# Altium PCB Dashcam.PcbDoc (part 4 of 6)
Units mm, origin at the board's own origin, x right, y up, seen from the top; angles counter-clockwise.
Board outline 90.03 x 65.03 mm, 6 copper layers (TOP, L2_GND, L3_IN1, L4_POWER, L5_GND_2, BOTTOM), stack 1.128 mm thick; 287 components, 444 nets, 1760 pads, 0 vias.
Unrouted connection lines stored in the file: 908.
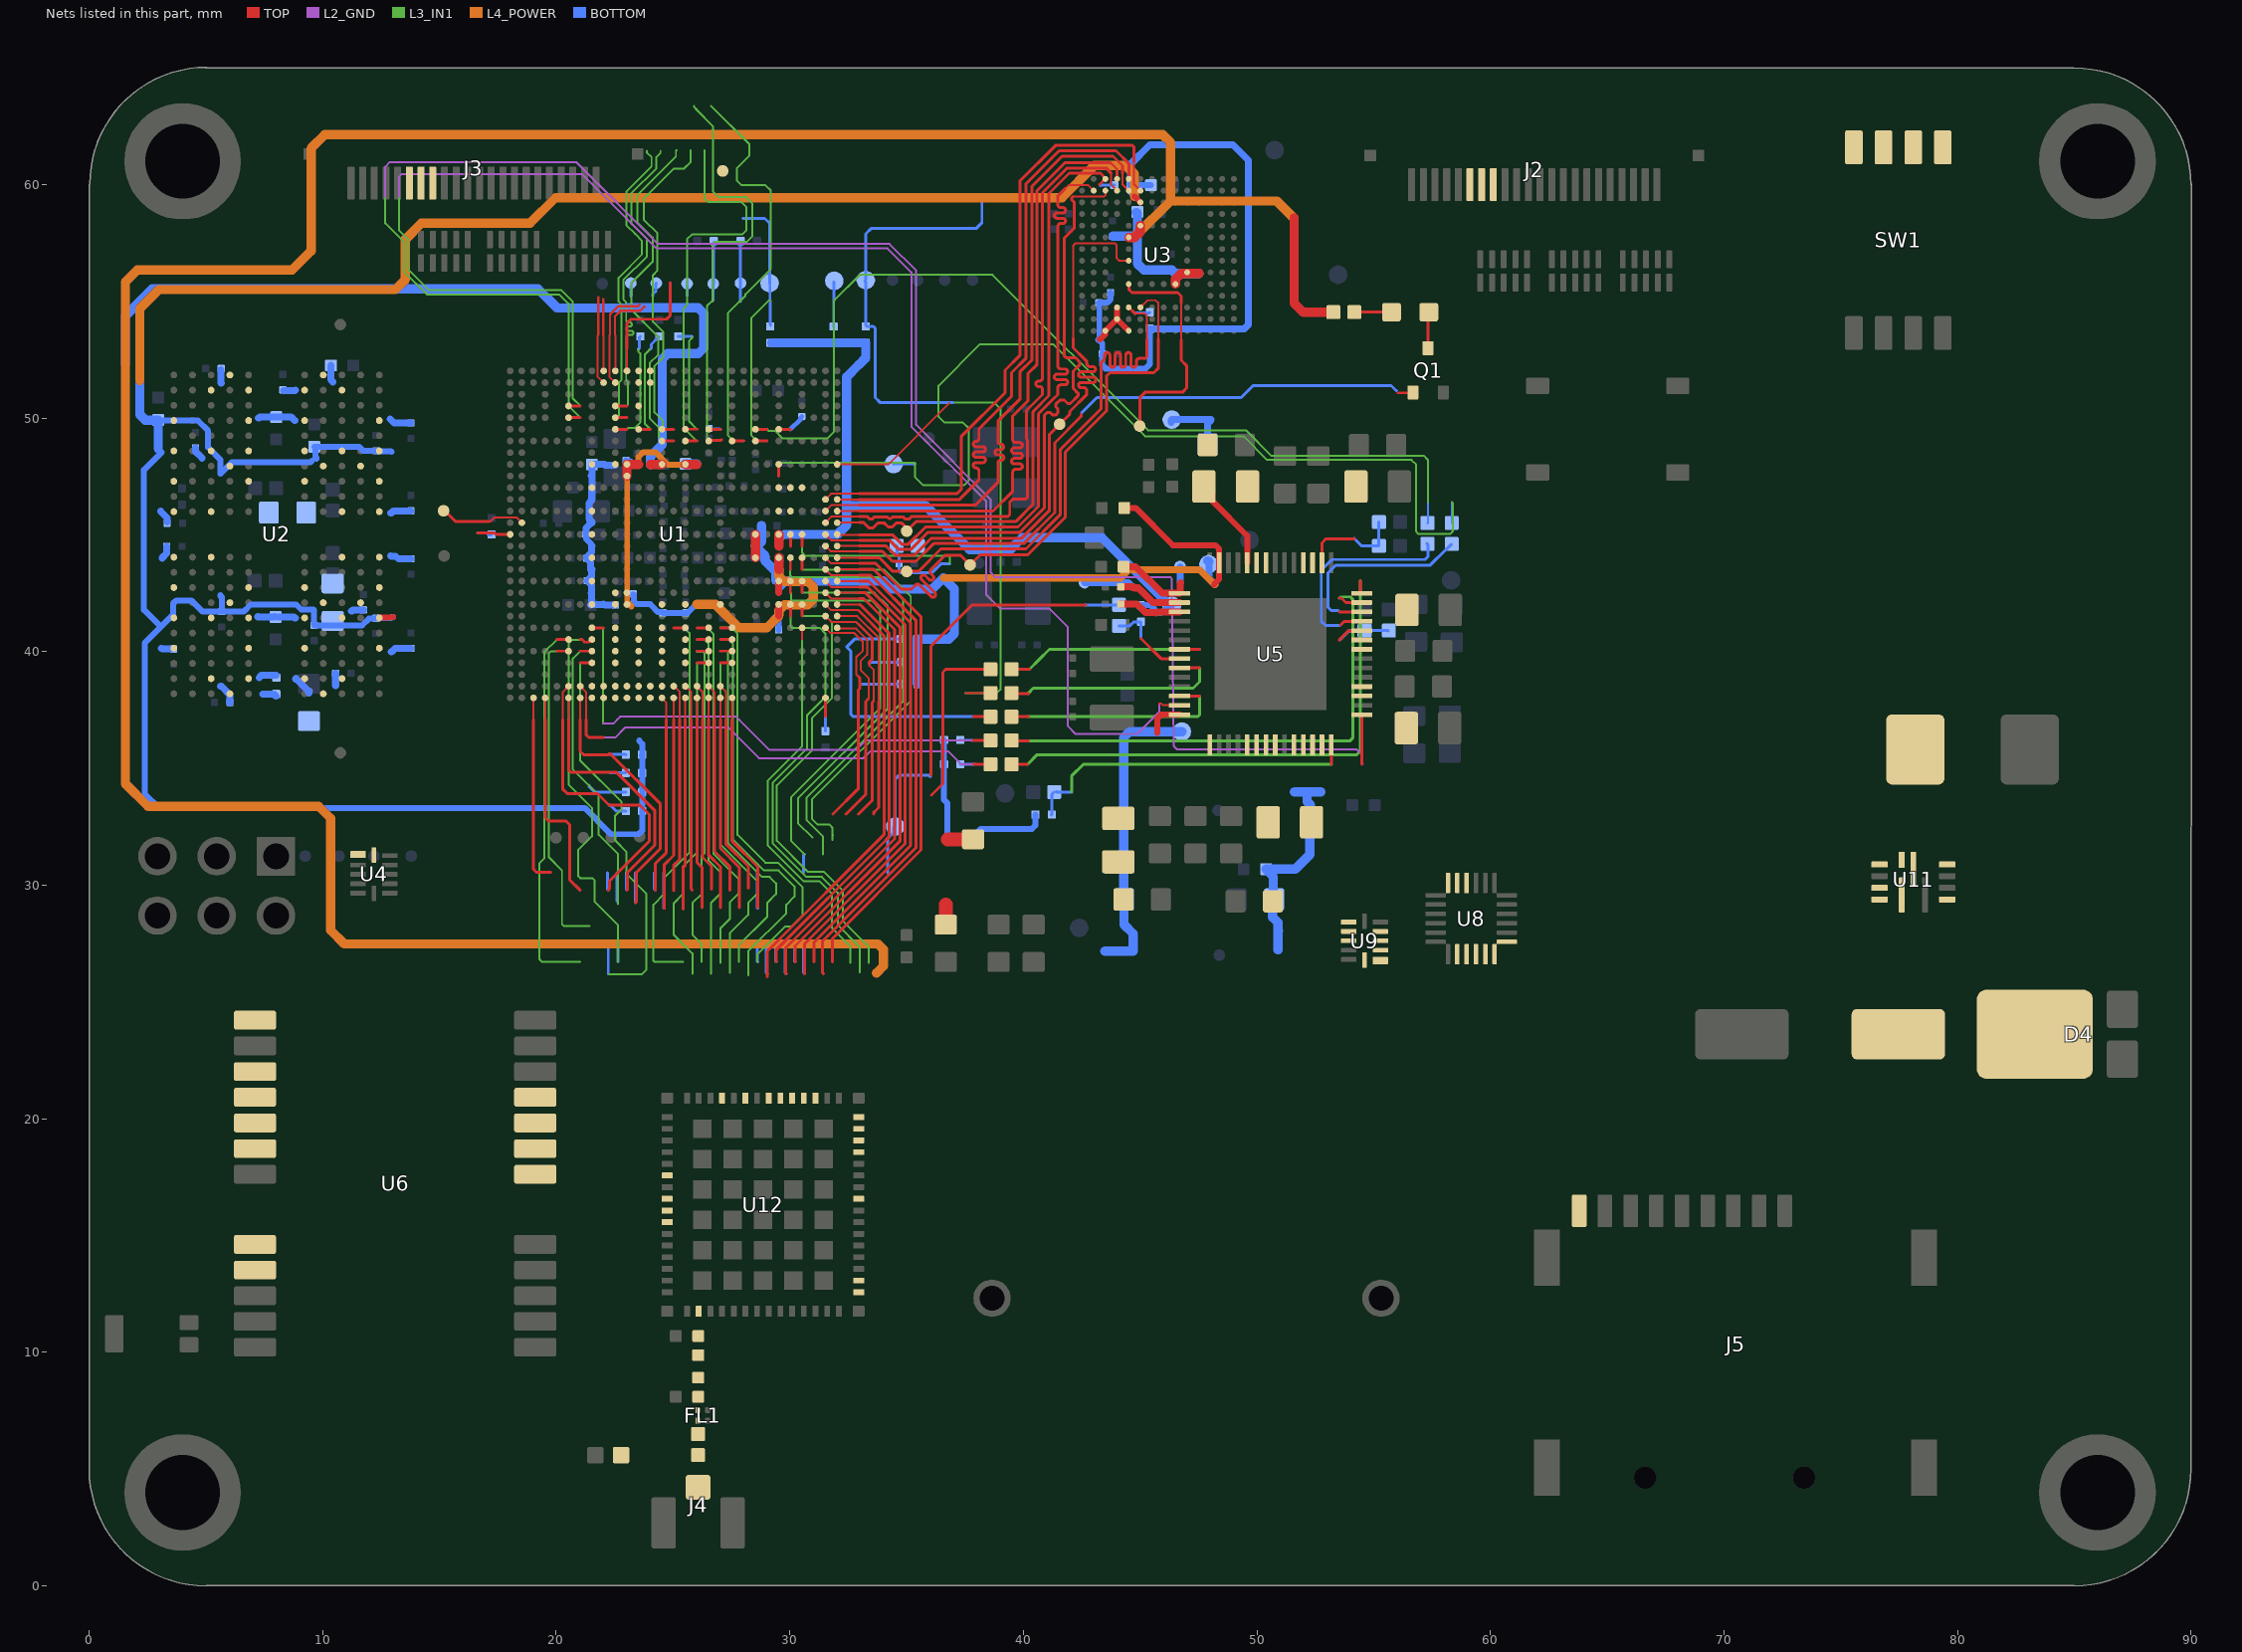
[diagram p8: the nets of this part, all layers, seen from the top]

## Nets (pads, with @x,y where several pads share a name; then routed paths per layer and width w, separated by ;. In a path a pad name is that pad's centre, name@x,y a point inside that pad or via, vN(x,y) a via of type N, cw(c..) or ccw(c..) an arc to the next point about the centre after c; other vN are vias at no path point) (continued)
I2C1_SCL: R16.2 R46.1 U1.AC8 | length 22.6
  TOP w0.12: U1.AC8@21.525,41.022 22.025,41.022
  TOP w0.127: 37.848,36.201 R46.1@38.592,36.201
  L2_GND w0.085: 21.996,36.938 22.454,36.938 22.605,37.09 22.733,37.217 27.711,37.217 27.839,37.09 29.134,35.795 32.842,35.795 33.248,36.201 37.771,36.201 37.795,36.176
  L3_IN1 w0.085: 21.996,36.938 21.996,40.993 22.025,41.022
  BOTTOM w0.127: R16.2@37.307,36.227 37.32,36.214 37.835,36.214 37.848,36.201
I2C1_SDA: R17.2 R48.1 U1.AH7 | length 21.3
  TOP w0.085: U1.AH7@21.028,38.525 21.285,38.268 21.285,37.09
  TOP w0.127: 21.285,37.09 21.285,36.43 21.387,36.328 21.996,36.328 ; 37.874,35.185 R48.1@38.592,35.185
  L2_GND w0.085: 21.996,36.328 22.53,36.328 22.962,36.76 27.356,36.76 28.677,35.439 33.147,35.439 33.452,35.744 36.779,35.744 37.338,35.185 37.922,35.185 37.948,35.211
  BOTTOM w0.127: R17.2@37.307,35.185 37.873,35.185
I2C2_SCL: R18.2 U1.AH6 | length 14.2
  TOP w0.085: 20.272,37.09 20.272,38.269 U1.AH6@20.528,38.525
  TOP w0.127: 20.272,37.09 20.272,34.131 20.476,33.926 21.772,33.926 22.262,33.436 ; 22.227,29.8 22.281,29.853 22.281,30.183 23.987,31.89 23.987,33.031 23.582,33.436 22.272,33.436
  BOTTOM w0.127: 22.2,30.54 22.2,29.827 22.227,29.8 ; 22.262,33.436 22.31,33.436 22.564,33.182 R18.2@22.978,33.182
I2C2_SCL_R: J2.16 J3.16
I2C2_SDA: R19.2 U1.AE8 | length 15.2
  TOP w0.12: 21.028,40.025 U1.AE8@21.528,40.025
  L3_IN1 w0.085: 21.028,40.025 20.712,39.709 20.712,34.96 21.38,34.293 21.398,34.293 ; 21.398,34.274 21.821,33.851 21.821,32.162 22.634,31.349 22.634,29.19
  BOTTOM w0.127: 21.398,34.293 21.398,34.253 21.656,33.995 R19.2@22.978,33.995 ; 22.6,30.54 22.6,29.32 22.628,29.292
I2C2_SDA_R: J2.17 J3.17
I2C3_SCL: R20.2 U1.AJ7 | length 13.3
  TOP w0.085: 21.028,37.09 U1.AJ7@21.028,38.025
  TOP w0.127: 21.028,37.09 21.028,35.737 21.169,35.595 22.236,35.595 22.262,35.62 22.325,35.62 24.463,33.483 24.463,31.578 23.421,30.536 23.421,29.289 23.398,29.266
  BOTTOM w0.127: 22.262,35.62 22.274,35.608 22.966,35.608 R20.2@22.978,35.595 ; 23.398,29.266 23.398,30.538
I2C3_SDA: R21.2 U1.AJ6 | length 12.8
  TOP w0.085: 20.528,37.09 U1.AJ6@20.528,38.025
  TOP w0.127: 20.528,37.09 20.528,34.941 20.636,34.833 22.592,34.833 24.214,33.211 24.214,31.71 23.04,30.536 23.04,29.809 23.031,29.8
  BOTTOM w0.127: 22.28,34.82 R21.2@22.971,34.82 ; 23,30.54 23,29.831 23.031,29.8
I2C4_SCL: U1.AF8 | length 18
  TOP w0.12: 21.028,39.525 U1.AF8@21.528,39.525
  L3_IN1 w0.085: 21.028,39.525 21.028,35.33 22.795,33.563 22.795,33.258 22.516,32.979 22.516,31.925 23.015,31.425 23.015,30.486 23.853,29.647 23.853,26.371 23.675,26.193 22.253,26.193
  BOTTOM w0.127: 22.228,26.212 22.228,27.474
I2C4_SDA: U1.AD8 | length 17.2
  TOP w0.12: 21.028,40.525 21.105,40.525 21.218,40.413 21.373,40.413 21.485,40.525 U1.AD8@21.528,40.525
  L3_IN1 w0.085: 21.028,40.525 21.015,40.513 20.697,40.513 20.526,40.341 20.526,34.313 21.525,33.314 21.525,32.095 20.932,31.502 20.932,30.409 21.034,30.308 21.542,30.308 21.643,30.206 21.643,29.292 22.634,28.301 22.634,26.72
  BOTTOM w0.127: 22.634,26.72 22.634,27.479
IMU_AD0: U8.9 U9.2
IMU_FSYNC: U8.11 U9.3
IMU_INT1: U8.12 U9.4
INT_GPS: U6.4
JTAG_MOD: R7.2 TP9.1 U1.G20 | length 20.8
  TOP w0.12: U1.G20@27.528,49.025 28.028,49.025
  L3_IN1 w0.085: 26.622,63.379 28.273,61.728 28.273,61.245 27.728,60.701 27.728,60.189 27.942,59.975 28.958,59.975 29.187,59.746 29.187,56.394 28.105,55.311 28.105,55.251 27.892,55.038 27.892,55 ; 27.888,55 27.844,55 27.358,54.514 27.358,49.256 27.589,49.025 28.025,49.025
  BOTTOM w0.127: 27.888,55 27.89,55.002 27.89,55.782 27.894,55.787 R7.2@27.894,57.534
JTAG_RESET: 
JTAG_TCK: R8.2 TP7.1 U1.G18 | length 21.4
  TOP w0.12: U1.G18@26.528,49.025 26.557,49.054 27.057,49.054 27.085,49.083
  L3_IN1 w0.085: 25.91,63.379 25.91,63.317 26.008,63.219 26.008,63.205 26.709,62.503 26.709,59.709 26.96,59.459 28.128,59.459 28.4,59.188 28.4,57.791 28.171,57.562 26.799,57.562 26.698,57.46 26.698,54.997 ; 26.71,55.033 26.683,55.033 26.453,54.802 26.453,52.99 26.453,49.171 26.599,49.025 27.028,49.025 27.085,49.083
  BOTTOM w0.127: 26.71,55.033 26.717,55.039 26.717,55.79 TP7.1@26.71,55.797 ; TP7.1@26.723,55.759 26.733,55.769 R8.2@26.733,57.501
JTAG_TDI: TP5.1 U1.G16 | length 17.6
  TOP w0.12: U1.G16@25.528,49.025 26.028,49.025
  L3_IN1 w0.085: 26.028,49.025 25.451,49.602 25.451,52.513 25.451,52.517 25.451,54.685 25.614,54.848 25.614,55.215 25.603,55.226 25.603,57.661 25.809,57.867 27.968,57.867 28.146,58.045 28.146,59.035 27.917,59.264 26.495,59.264 26.342,59.416 26.342,61.474
  BOTTOM w0.127: TP5.1@25.601,55.687 25.604,55.684 25.604,55.227 25.603,55.226
JTAG_TDO: TP8.1 U1.F14 | length 15.4
  TOP w0.12: U1.F14@24.528,49.525 25.028,49.525
  L3_IN1 w0.085: 25.028,49.525 24.649,49.525 24.613,49.561 24.562,49.613 24.562,49.892 24.206,50.248 24.206,52.229 24.587,52.61 24.587,53.677 24.139,54.125 24.139,55.235 24.139,56.124 24.333,56.318 24.333,57.918 23.749,58.503 23.749,59.392 25.044,60.687 25.476,60.687 25.758,60.969 25.758,61.474
  BOTTOM w0.127: 24.139,55.235 24.139,55.31 24.26,55.431 24.26,55.759 TP8.1@24.285,55.784
JTAG_TMS: TP6.1 U1.G14 | length 16
  TOP w0.12: U1.G14@24.528,49.025 25.028,49.025
  L3_IN1 w0.085: 25.028,49.025 24.591,49.025 24.384,49.232 24.384,49.613 24.003,49.994 24.003,52.356 24.359,52.711 24.359,53.499 23.218,54.639 23.218,55.226 23.218,55.787 24.13,56.699 24.13,57.741 23.47,58.401 23.47,59.544 25.125,61.2 25.125,61.45 25.148,61.474
  BOTTOM w0.127: TP6.1@23.199,55.663 23.205,55.656 23.205,55.239 23.218,55.226
MISO_GPS: 
MOSI_GPS: 
NetANT1_1: ANT1.1 J4.1 R81.2
NetC64_2: C64.2 U1.F24 | length 1.3
  TOP w0.12: U1.F24@29.528,49.525 30.028,49.525
  L3_IN1 w0.085: 30.017,49.485 30.032,49.5
  BOTTOM w0.2: 30.028,49.525 30.464,49.961 30.464,50.021 C64.2@30.517,50.073
NetC65_2: C65.2 U1.F18 | length 1
  TOP w0.12: U1.F18@26.528,49.525 27.028,49.525
  L3_IN1 w0.085: 27.02,49.51 27.034,49.525
  BOTTOM w0.12: C65.2@26.596,49.561 26.614,49.543 27.01,49.543 27.028,49.525
NetC110_1: C110.1 TP40.1 U5.2 | length 5
  TOP w0.3: C110.1@44.173,42.779 44.676,42.779 44.701,42.755 44.729,42.755 ; 44.752,42.755 44.729,42.755 ; U5.2@46.688,42.106 45.556,42.106 44.927,42.734 44.75,42.734 44.729,42.755
  BOTTOM w0.3: TP40.1@42.621,42.958 44.498,42.958 44.701,42.755 44.729,42.755
NetC115_1: C115.1 TP42.1 U5.1 | length 4
  TOP w0.3: C115.1@44.297,43.643 44.808,43.643 45.945,42.506 U5.1@46.688,42.506 46.716,42.534 46.716,42.938 46.736,42.958
  BOTTOM w0.3: TP42.1@46.711,43.644 46.723,43.631 46.723,42.971 46.736,42.958
NetC142_2: U8.10
NetC150_1: L7.1 U11.7
NetC150_2: 
NetC155_2: 
NetC156_2: U11.9
NetC162_2: C162.2 C164.2 FL1.1
NetC173_2: 
NetD1_1: D1.1 Q1.D | length 1.6
  TOP w0.127: Q1.D@57.33,53 57.33,54.501 D1.1@57.368,54.539
NetD1_2: D1.2 R15.1 | length 1.6
  TOP w0.127: R15.1@54.173,54.539 D1.2@55.768,54.539
NetD2_2: R59.2
NetD3_2: R60.2
NetD7_2: 
NetD21_1: 
NetFL1_2: FL1.2 R81.1
NetJ6_7: 
NetJ6_9: 
NetL1_1: L1.1 U5.45 U5.46
NetL2_1: L2.1 U5.36 U5.37
NetL3_1: L3.1 U5.31 U5.32
NetL4_1: L4.1 U5.19 U5.20
NetL5_1: L5.1 U5.15
NetL6_1: L6.1 U5.50 U5.51
NetR2_2: R2.2 U1.R1 | length 2.1
  TOP w0.127: 16.634,45.08 16.636,45.082 17.345,45.082 17.402,45.025 17.502,45.025 U1.R1@18.028,45.025
  BOTTOM w0.127: 16.634,45.08 16.644,45.09 17.016,45.09 17.097,45.01 17.218,45.01 R2.2@17.232,45.024
NetR3_1: R3.1 U1.F10 | length 5
  TOP w0.12: U1.F10@22.528,49.525 23.028,49.525
  L3_IN1 w0.085: 23.028,49.525 23.077,49.574 23.358,49.574 23.599,49.815 23.599,52.513 23.599,52.517 23.599,52.771 23.507,52.863 23.507,52.95
  BOTTOM w0.127: 23.507,52.95 23.553,52.996 23.553,53.458 R3.1@23.599,53.504
NetR5_1: R5.1 U1.F12 | length 4.8
  TOP w0.12: U1.F12@23.528,49.525 24.028,49.525
  L3_IN1 w0.085: 24.013,52.95 23.8,52.737 23.8,52.517 23.8,52.513 23.8,49.753 24.028,49.525
  BOTTOM w0.127: 24.013,52.95 24.066,53.003 24.066,53.158 24.381,53.473 R5.1@24.386,53.473
NetR6_2: R6.2 U1.AJ28 | length 1.4
  TOP w0.127: 31.528,37.217 U1.AJ28@31.528,38.025
  BOTTOM w0.127: R6.2@31.524,36.601 31.526,36.603 31.526,37.215 31.528,37.217
NetR14_2: R14.2
NetR35_1: R35.1 R36.1 U5.44 | length 4.6
  TOP w0.127: U5.44@52.788,43.806 52.788,44.666 52.959,44.837 54.178,44.837
  BOTTOM w0.127: 54.153,44.863 54.178,44.837 54.484,44.532 R36.1@55.229,44.532 R35.1@55.229,45.548
NetR37_1: R37.1 R38.1 U5.38 | length 3.3
  TOP w0.127: 53.546,40.493 53.546,40.519 53.927,40.9 54.482,40.9 U5.38@54.488,40.906
  BOTTOM w0.127: 53.571,40.519 53.952,40.9 R38.1@54.562,40.9 ; R38.1@54.612,40.907 55.621,40.907 R37.1@55.628,40.9
NetR39_1: R39.1 | length 0.7
  TOP w0.127: 37.848,37.217 R39.1@38.592,37.217
NetR39_2: R39.2 U5.12 | length 9.9
  TOP w0.127: R39.2@39.449,37.267 39.499,37.217 40.211,37.217 ; U5.12@46.688,38.106 47.551,38.106
  L3_IN1 w0.127: 40.152,37.224 47.477,37.224 47.551,37.299 47.551,38.106
NetR40_2: R40.2 R41.2 U5.8 | length 3.7
  TOP w0.127: 45.037,40.569 45.9,39.706 U5.8@46.688,39.706
  BOTTOM w0.127: R41.2@44.097,41.11 44.561,41.11 44.732,41.281 45.037,41.281 45.037,40.569
NetR42_2: R42.2 U5.39 | length 9.4
  TOP w0.127: 53.571,41.154 53.596,41.154 53.748,41.306 U5.39@54.488,41.306
  BOTTOM w0.127: 53.546,41.128 52.936,41.128 52.758,41.306 52.758,43.49 53.215,43.948 57.203,43.948 57.33,44.075 57.33,44.583 R42.2@57.279,44.633
NetR43_2: R43.2 U5.40 | length 8.8
  TOP w0.127: 53.546,41.712 53.552,41.706 U5.40@54.488,41.706
  BOTTOM w0.127: 53.546,41.712 53.492,41.766 53.187,41.766 53.038,41.916 53.038,43.363 53.368,43.694 57.406,43.694 58.091,44.379 58.11,44.379 58.321,44.59 R43.2@58.321,44.608
NetR44_2: R44.2 R45.2 U5.28 | length 14.6
  TOP w0.127: U5.28@53.188,36.006 53.188,35.187 53.19,35.185
  L3_IN1 w0.127: 42.065,33.991 42.065,34.677 42.573,35.185 53.19,35.185
  BOTTOM w0.127: R45.2@41.201,33 41.221,33.02 R45.2@41.221,33.026 41.221,33.891 R44.2@41.321,33.991 ; R44.2@41.404,34.016 41.43,33.991 42.065,33.991
NetR46_2: R46.2 U5.41 | length 22.2
  TOP w0.127: R46.2@39.525,36.175 40.211,36.175 ; 53.546,42.297 53.621,42.297 53.812,42.106 U5.41@54.488,42.106
  L3_IN1 w0.127: 40.211,36.175 53.977,36.175 54.104,36.302 54.104,42.246 54,42.35 53.599,42.35 53.546,42.297
NetR47_1: R47.1 U5.9 | length 9.7
  TOP w0.127: R47.1@39.525,38.258 39.576,38.207 40.211,38.207 ; U5.9@46.688,39.306 47.551,39.306
  L3_IN1 w0.127: 40.211,38.207 40.211,38.222 40.424,38.436 47.272,38.436 47.551,38.715 47.551,39.306
NetR48_2: R48.2 U5.42 | length 23.1
  TOP w0.127: R48.2@39.449,35.108 39.525,35.185 40.185,35.185 ; 54.435,43.033 54.435,42.542 54.471,42.506 U5.42@54.488,42.506
  L3_IN1 w0.127: 40.185,35.185 40.592,35.591 54.282,35.591 54.435,35.743 54.435,43.033
NetR49_1: R49.1 U5.7 | length 9.3
  TOP w0.127: R49.1@39.499,39.249 40.261,39.249 ; U5.7@46.688,40.106 47.551,40.106
  L3_IN1 w0.127: 40.261,39.249 40.678,39.666 41.118,40.106 47.551,40.106
NetR49_2: R49.2 | length 7.6
  TOP w0.127: 36.068,33.865 36.551,34.347 36.551,39.122 36.677,39.249 R49.2@38.592,39.249
NetR51_1: U6.18
NetR52_1: U6.19
NetR53_1: U6.20
NetR54_1: U6.21
NetR55_2: U6.6
NetR56_2: R56.2 U6.5
NetR63_1: 
NetR64_1: U11.8
NetR66_2: U11.12
NetR67_1: U11.11
NetR69_2: U11.6
NetR105_2: U4.12
NetR106_1: SW1.8
NetR107_1: SW1.7
NetR108_1: SW1.6
NetR109_1: SW1.5
NetTP4_1: TP4.1 U1.P2 | length 3.7
  TOP w0.085: 17.122,45.577 17.131,45.577 17.182,45.577 17.359,45.755 18.298,45.755 U1.P2@18.528,45.525
  TOP w0.127: TP4.1@15.226,46.034 15.683,45.577 17.097,45.577 17.122,45.577
NetTP28_1: TP28.1 U3.K5 | length 10
  TOP w0.085: 46.761,53.346 46.761,54.926
  TOP w0.127: U3.K5@44.514,55.743 44.514,55.518 44.652,55.38 46.608,55.38 46.761,55.226 46.761,54.926 ; TP28.1@44.986,49.638 44.986,50.882 45.214,51.11 46.815,51.11 46.99,51.286 46.99,52.256 46.761,52.484 46.761,53.346
NetTP59_1: U11.3
NetU9_7: U9.7
NetU9_8: U9.8
NetU9_9: U9.9
NetU12_7: U12.7
NetU12_9: U12.9
NetU12_10: U12.10
NetU12_11: U12.11
NetU12_46: U12.46
NetU12_47: U12.47
NetU12_48: U12.48
NetU12_49: U12.49
NetU12_53: U12.53
NetU12_54: U12.54
NetU12_55: U12.55
NetU12_56: U12.56
NetU12_57: U12.57
NetU12_59: U12.59
NVCC_DRAM_1V1: C54.2 C59.2 C60.2 C61.2 C62.2 C77.2 C78.2 C79.2 C80.2 C81.2 C82.2 C83.2 C84.2 C85.2 C86.2 C87.2 C88.2 C89.2 C90.2 C91.2 C92.2 C124.2 C125.2 L6.2 TP46.1 U1.AA8 U1.AA10 U1.J8 U1.J10 U1.L8 U1.N8 U1.R8 U1.U8 U1.W8 U2.A4 U2.A9 U2.AA3 U2.AA5 U2.AA8 U2.AA10 U2.AB4 U2.AB9 U2.B3 U2.B5 U2.B8 U2.B10 U2.D1 U2.D5 U2.D8 U2.D12 U2.F3 U2.F5 U2.F8 U2.F10 U2.G2 U2.H1 U2.H5 U2.H8 U2.H12 U2.K1 U2.K3 U2.K10 U2.K12 U2.N1 U2.N3 U2.N10 U2.N12 U2.R1 U2.R5 U2.R8 U2.R12 U2.T2 U2.U3 U2.U5 U2.U8 U2.U10 U2.W1 U2.W5 U2.W8 U2.W12 U5.52 | length 29.4
  TOP w0.254: L6.2@47.739,47.072 48.112,46.699 48.112,46.433 49.588,44.958 U5.52@49.588,43.806
  BOTTOM w0.254: C59.2@21.271,45.018 21.271,44.841 21.499,44.613 21.499,44.595 21.507,44.587 21.525,44.587
  BOTTOM w0.3: 3.059,46.034 3.059,46.006 3.339,45.726 C84.2@3.339,45.552 ; 3.085,40.142 3.113,40.142 3.136,40.119 3.615,40.119 C82.2@3.618,40.116 ; 3.135,44.002 3.135,44.031 3.313,44.209 C83.2@3.314,44.51 ; C86.2@4.558,48.727 4.558,48.574 4.828,48.304 4.828,48.285 ; 5.628,38.525 5.656,38.525 6.031,38.15 C81.2@6.031,37.805 ; C87.2@5.65,52.08 5.65,51.503 5.657,51.496 ; 7.228,41.498 7.234,41.492 7.924,41.492 C78.2@7.936,41.503 ; 7.246,50.006 7.274,50.006 7.313,50.045 8.654,50.045 8.799,49.9 8.81,49.9 ; C78.2@8.063,41.488 8.764,41.488 8.799,41.452 8.828,41.452 ; C88.2@8.317,51.191 8.818,51.191 8.828,51.2 ; 8.828,38.85 8.848,38.83 ; 8.85,38.872 8.85,38.839 9.406,38.284 9.409,38.28 9.409,38.237 ; 9.384,38.262 9.44,38.318 ; C85.2@10.352,52.257 10.352,51.641 10.428,51.565 10.428,51.536 ; 10.552,38.557 10.552,39.072 C80.2@10.552,39.075 ; 11.228,41.752 11.256,41.752 11.295,41.79 11.743,41.79 C91.2@11.746,41.793 ; 12.889,49.967 12.889,49.965 13.06,49.793 C92.2@13.778,49.793 ; 12.908,44.114 12.928,44.094 13.123,44.094 13.24,43.977 C90.2@13.778,43.977 ; 12.914,45.943 12.943,45.943 13.035,46.035 C89.2@13.778,46.035 ; 12.932,39.999 12.958,39.999 13.1,40.142 C79.2@13.778,40.142 ; C59.2@21.271,45.018 21.273,45.021 21.273,45.296 21.5,45.523 21.5,45.526 ; 21.472,41.996 21.508,42.032 21.508,42.496 21.5,42.504 ; 21.474,41.996 21.489,42.01 22.013,42.01 22.028,42.025 ; 21.474,43.52 21.474,43.824 C60.2@21.296,44.002 21.299,44.005 21.299,44.047 21.508,44.255 21.508,44.505 21.528,44.525 ; 21.5,46.517 21.508,46.509 21.508,46.476 21.4,46.369 21.4,46.012 21.398,46.009 21.398,45.684 21.528,45.554 21.528,45.525 ; 21.5,47.533 21.526,47.506 21.526,47.052 21.525,47.05 ; 21.508,42.574 21.508,42.851 C61.2@21.322,43.037 21.508,43.223 21.508,43.505 21.528,43.525 ; 21.525,47.025 21.525,46.528 21.528,46.525 ; C54.2@21.525,47.99 21.526,47.989 21.526,47.526 21.528,47.525 ; C54.2@21.532,48.025 22.057,48.025 22.094,47.987 22.504,47.987 ; 22.033,42.047 22.035,42.047 22.083,41.998 22.538,41.998 C62.2@22.541,41.996 ; TP46.1@46.332,49.815 46.332,49.917 TP46.1@46.357,49.942 ; TP46.1@46.383,49.917 46.408,49.942 47.323,49.942 ; 47.399,49.942 48.034,49.942 ; C125.2@47.894,48.875 47.894,49.774 48.014,49.893 48.014,49.937
NVCC_SD2: C17.2 C120.1 R22.1 R23.1 R24.1 TP44.1 U1.W24 U5.55 | length 34
  TOP w0.254: C120.1@44.325,46.157 44.808,46.157 46.408,44.557 48.239,44.557 48.388,44.408 U5.55@48.388,43.806 48.388,43.108 48.161,42.881
  TOP w0.3: 29.528,42.525 U1.W24@29.528,43.025
  L4_POWER w0.3: 36.578,43.16 44.17,43.16 44.526,43.517 47.547,43.517 48.183,42.881 48.212,42.881
  BOTTOM w0.254: 29.528,42.525 29.557,42.554 29.557,42.687 29.907,43.037 ; R22.1@35.444,38.618 R22.1@35.464,38.637
  BOTTOM w0.3: TP44.1@47.947,43.856 47.947,43.145 48.212,42.881
  BOTTOM w0.4: 29.907,43.037 C17.2@31.329,43.037 ; C17.2@31.329,43.025 34.009,43.025 34.352,42.682 36.1,42.682 36.578,43.16 37.044,42.694 37.044,40.778 36.81,40.544 R24.1@35.455,40.544 ; R22.1@35.464,38.637 R23.1@35.464,39.557 R24.1@35.464,40.535 ; TP44.1@47.907,43.897 TP44.1@47.947,43.856
NVCC_SNVS_1V8: C5.2 C106.1 R9.2 R10.2 R11.2 R40.1 TP38.1 U1.R24 U5.3 | length 36.3
  TOP w0.3: C106.1@44.173,42.043 44.869,42.043 45.238,41.673 45.646,41.673 45.667,41.653 ; 45.758,41.706 U5.3@46.688,41.706
  TOP w0.4: 29.528,44.525 U1.R24@29.528,45.025
  BOTTOM w0.254: R40.1@45.037,41.986 45.078,41.986 45.085,41.993 45.448,41.993 45.638,41.803 45.638,41.682 45.667,41.653 45.696,41.682 45.925,41.682 46.185,41.942 TP38.1@46.228,41.942
  BOTTOM w0.3: R11.2@29.238,53.219 R11.2@29.243,53.224 ; 29.528,44.525 29.548,44.545 29.548,44.795 29.778,45.025 ; 32.946,52.279 32.972,52.304 ; 42.065,44.887 42.069,44.883
  BOTTOM w0.4: R11.2@29.243,53.224 R9.2@31.879,53.224 R10.2@33.251,53.224 33.251,52.584 32.972,52.304 ; 29.778,45.025 32.042,45.025 32.438,45.421 32.438,46.26 ; 32.946,52.279 32.438,51.771 32.438,46.26 ; 42.065,44.887 39.957,44.887 39.449,44.38 37.694,44.38 35.814,46.26 32.972,46.26 32.946,46.26 32.438,46.26 ; 42.069,44.883 43.364,44.883 46.279,41.969 TP38.1@46.279,41.942
ONOFF: R11.1 TP10.1 U1.G22 | length 13.1
  TOP w0.12: U1.G22@28.528,49.025 29.028,49.025
  L3_IN1 w0.085: 29.041,49.025 28.605,49.025 28.349,49.282 28.349,54.285 29.105,55.041 29.168,55.041
  BOTTOM w0.127: 27.993,58.553 28.933,58.553 29.136,58.349 TP10.1@29.136,55.784 29.152,55.768 29.152,55.057 29.168,55.041 ; 29.16,55.046 29.16,54.008 R11.1@29.187,53.981
PCIE_RESREF: R4.2 U1.F16 | length 5.3
  TOP w0.12: U1.F16@25.528,49.533 26.028,49.533
  L3_IN1 w0.085: 25.811,53.504 25.811,53.425 25.679,53.293 25.679,52.517 25.679,52.513 25.679,49.881 26.028,49.533
  BOTTOM w0.127: R4.2@25.225,53.504 25.811,53.504
PMIC_32K_OUT: U12.42
PMIC_nINT: U1.D6 U5.13 | length 69.7
  TOP w0.085: 45.824,37.775 45.911,37.775 45.981,37.706 U5.13@46.688,37.706
  TOP w0.12: U1.D6@20.528,50.525 21.028,50.525
  L2_GND w0.085: 13.261,59.492 13.261,60.334 13.386,60.458 21.1,60.458 24.293,57.265 34.189,57.265 35.212,56.242 35.212,49.631 38.41,46.432 38.41,42.444 39.014,41.84 41.123,41.84 41.91,41.053 41.91,36.811 42.24,36.481 44.882,36.481 45.824,37.423 45.824,37.775
  L3_IN1 w0.085: 13.261,59.492 13.261,58.045 13.657,57.649 13.657,56.369 14.539,55.487 20.203,55.487 20.713,54.977 20.713,50.84 21.028,50.525
PMIC_ON_REQ: R9.1 R42.1 TP12.1 U1.F22 | length 43.1
  TOP w0.12: U1.F22@28.528,49.525 29.028,49.525
  L3_IN1 w0.085: 29.028,49.525 29.034,49.518 29.087,49.466 29.358,49.466 29.695,49.129 31.6,49.129 31.879,49.409 31.879,55.022 32.998,56.14 38.684,56.14 45.339,49.486 49.53,49.486 50.615,48.401 57.143,48.401 57.328,48.216 57.328,46.412
  BOTTOM w0.085: R42.1@57.302,45.498 57.328,45.523 57.328,46.412
  BOTTOM w0.127: R9.1@31.879,53.93 31.879,55.022 31.892,55.035 31.892,55.822 TP12.1@31.879,55.835
PMIC_SCLH: U5.25
PMIC_SCLL: U5.27
PMIC_SDAH: U5.24
PMIC_SDAL: U5.26
PMIC_STBY_REQ: R43.1 TP13.1 U1.J24 | length 46
  TOP w0.12: 29.528,47.525 U1.J24@29.528,48.025
  L3_IN1 w0.085: 29.528,47.525 29.528,48.007 29.604,48.083 35.339,48.083 35.359,48.062 35.359,47.477 35.712,47.123 37.465,47.123 37.668,47.327 37.668,49.562 37.414,49.816 36.627,49.816 36.373,50.07 36.373,51.391 38.151,53.169 41.275,53.169 45.212,49.232 49.428,49.232 50.444,48.216 56.617,48.216 56.82,48.012 56.82,45.142 56.921,45.041 58.268,45.041 58.395,45.168 58.395,46.361 58.344,46.412
  BOTTOM w0.085: R43.1@58.344,45.523 58.344,46.412
  BOTTOM w0.127: TP13.1@34.445,48.037 34.457,48.05 35.346,48.05 35.359,48.062
POR_B: R10.1 R47.2 TP11.1 U1.J29 | length 39.7
  TOP w0.085: U1.J29@32.028,48.025 34.214,48.025 36.843,50.653 ; 37.518,38.233 R47.2@38.592,38.233
  L3_IN1 w0.085: 37.061,50.679 38.737,50.679 39.017,50.399 39.017,38.385 38.864,38.233 37.518,38.233
  BOTTOM w0.127: TP11.1@33.213,55.873 33.255,55.831 33.255,53.976 33.302,53.93 33.581,53.93 33.657,53.854 33.657,50.882 33.861,50.679 37.01,50.679 ; TP11.1@33.251,55.911 33.251,57.892 33.48,58.121 37.975,58.121 38.228,58.373 38.228,59.485
PPS_GPS: R59.1 U6.3
QSPIA_DATA0: U1.R25 | length 0.5
  TOP w0.12: U1.R25@30.028,45.025 30.031,45.022 30.031,44.522 30.035,44.518
QSPIA_DATA1: U1.L25
QSPIA_DATA2: U1.L24
QSPIA_DATA3: U1.N24
QSPIA_DQS: C70.2 R14.1 U1.R26 | length 11
  TOP w0.12: 30.528,44.525 U1.R26@30.528,45.025
  L3_IN1 w0.085: 30.529,44.524 30.529,44.244 30.673,44.1 32.946,44.1 32.972,44.1 36.808,44.1 36.858,44.05 36.858,43.77
  BOTTOM w0.127: R14.1@34.579,44.532 34.597,44.514 34.597,44.176 34.674,44.1 C70.2@34.674,43.77 34.674,43.463 34.748,43.389 36.096,43.389 36.477,43.77 36.858,43.77
QSPIA_nSS0: U1.L26
QSPIA_SCLK: U1.N25
RESET_GPS: U6.8
RF_5GHZ_WF: C162.1 C163.2 U12.20
SAFE_GPS: U6.1